# Altium PCB Sense2goL_V1.2.PcbDoc
Units mm, origin at the board's own origin, x right, y up, seen from the top; angles counter-clockwise.
Board outline 50.01 x 25.02 mm, 6 copper layers (TOP, L2, L3, L4, L5, BOTTOM), stack 0.95 mm thick; 114 components, 78 nets, 379 pads, 144 vias.
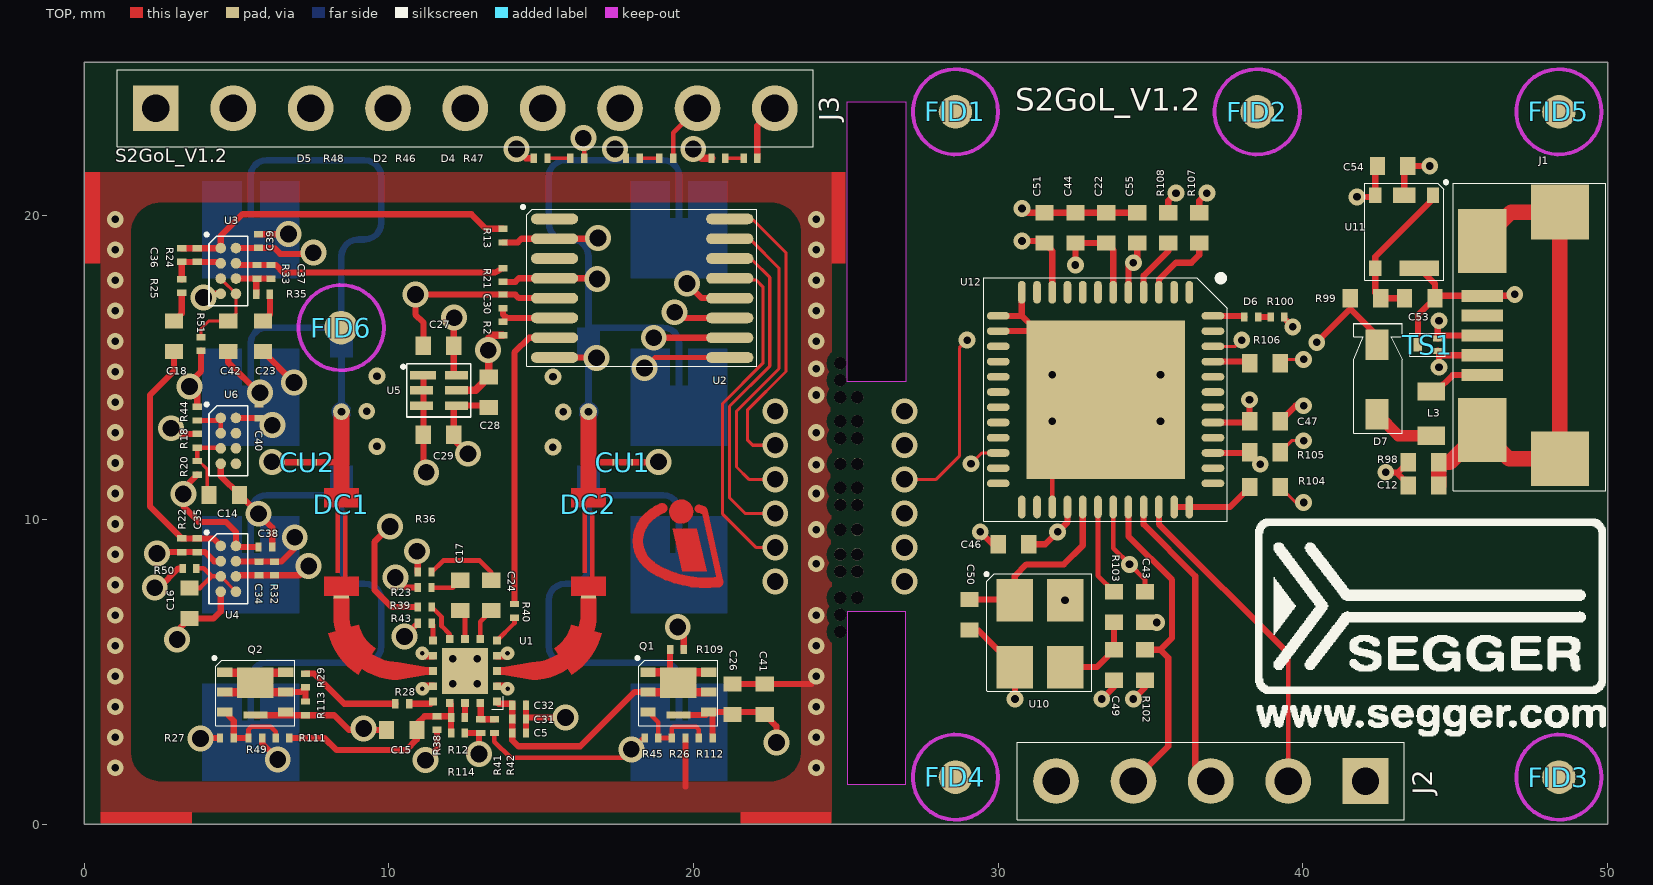
[diagram p0: TOP view]
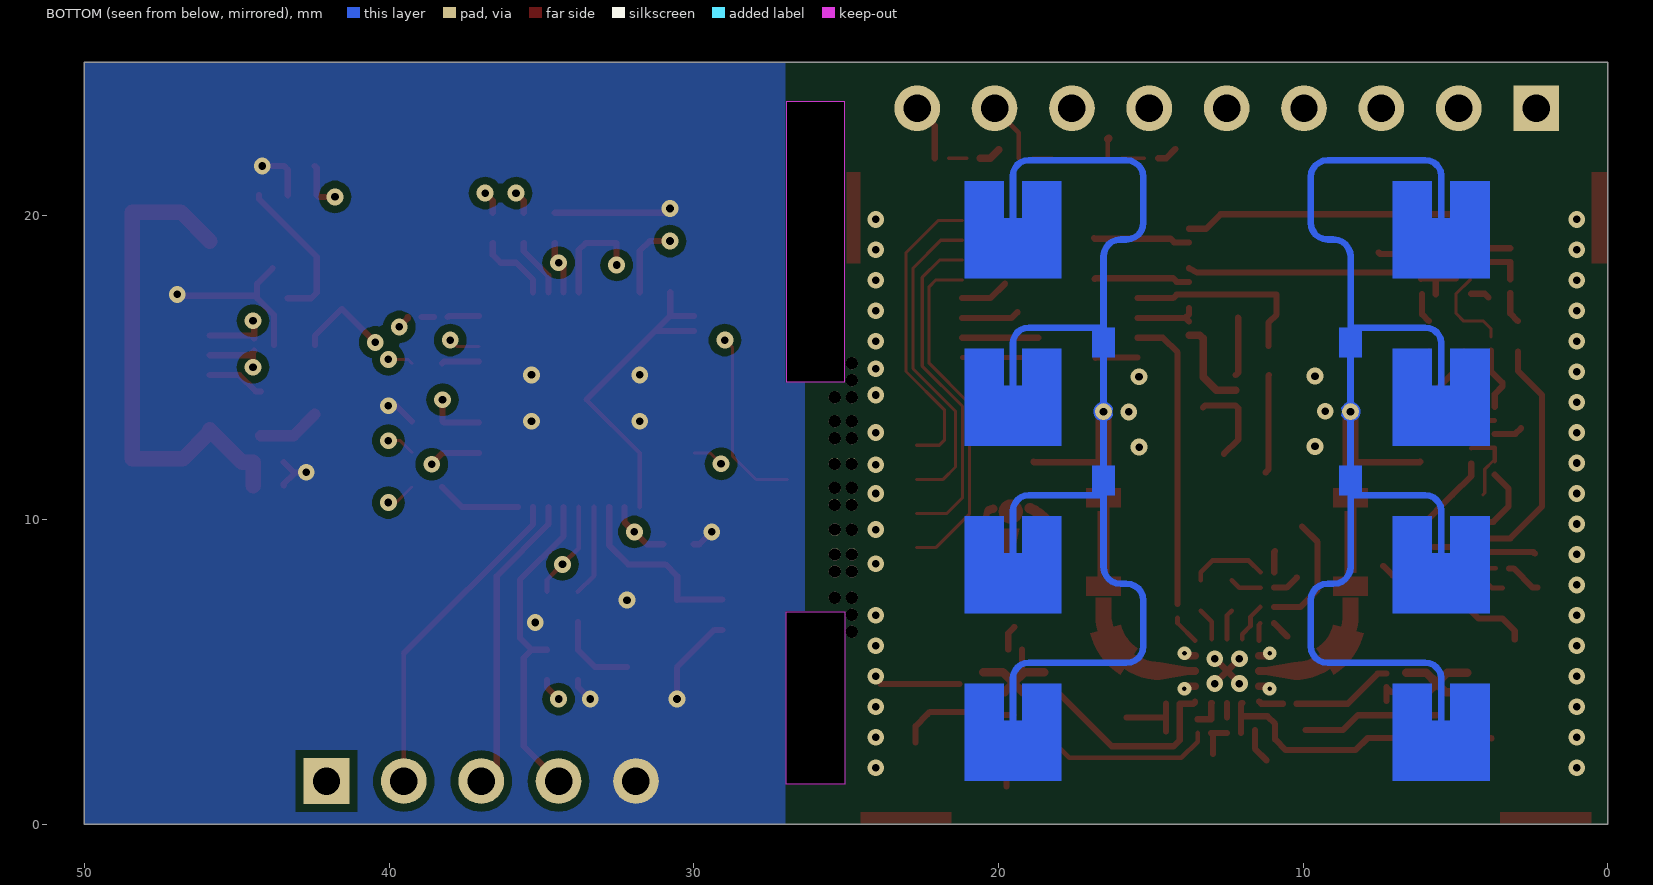
[diagram p1: BOTTOM view, seen from below]
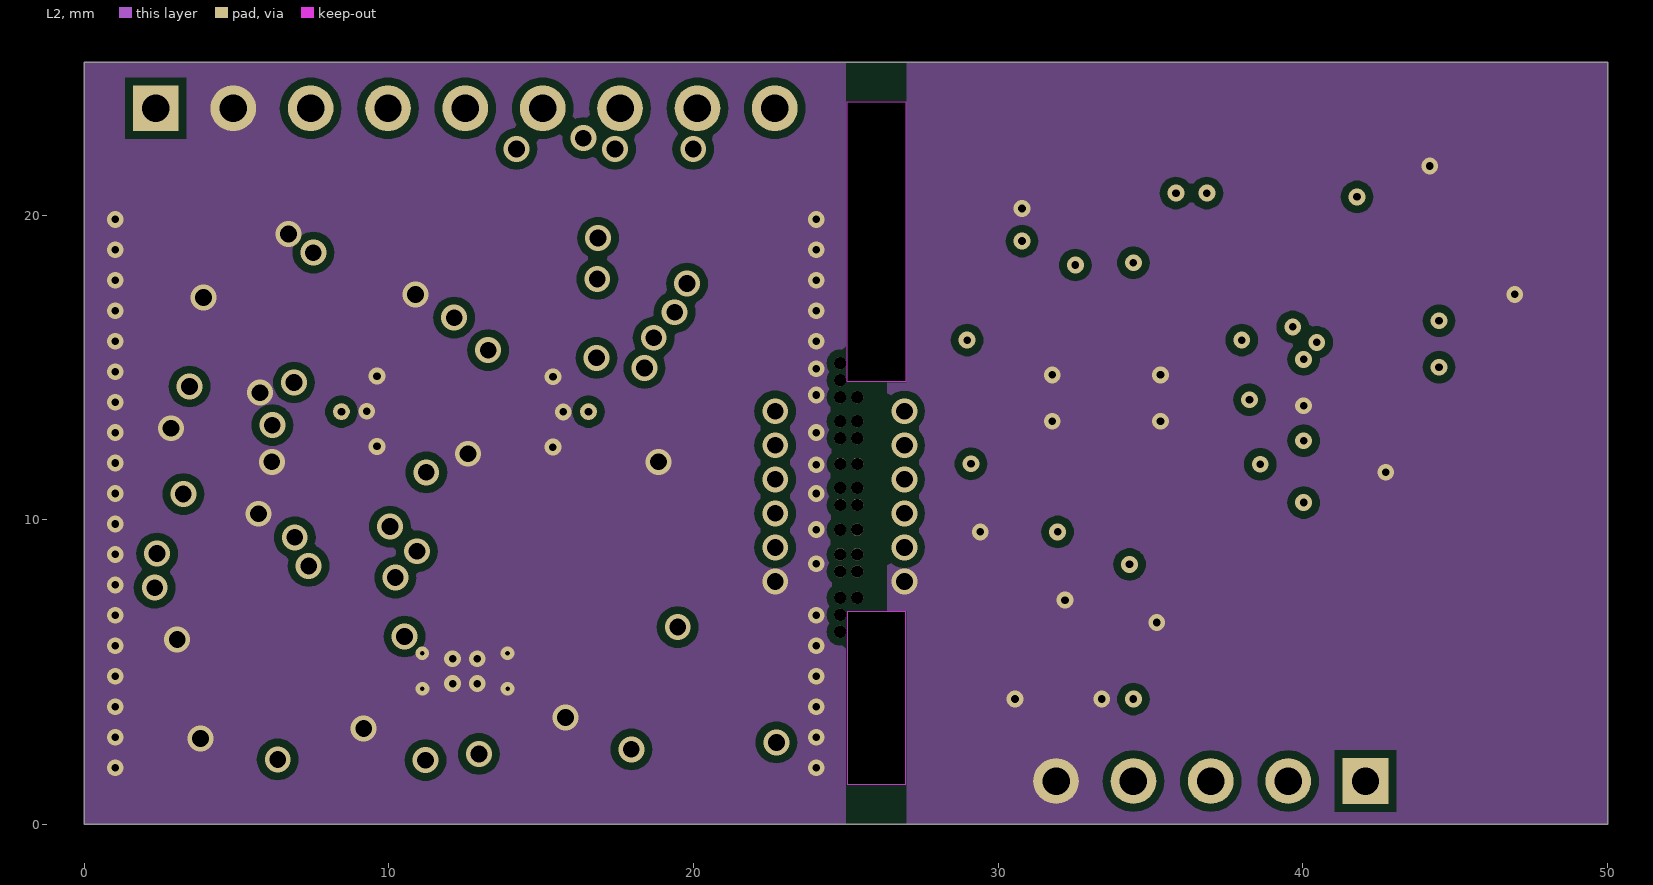
[diagram p2: L2]
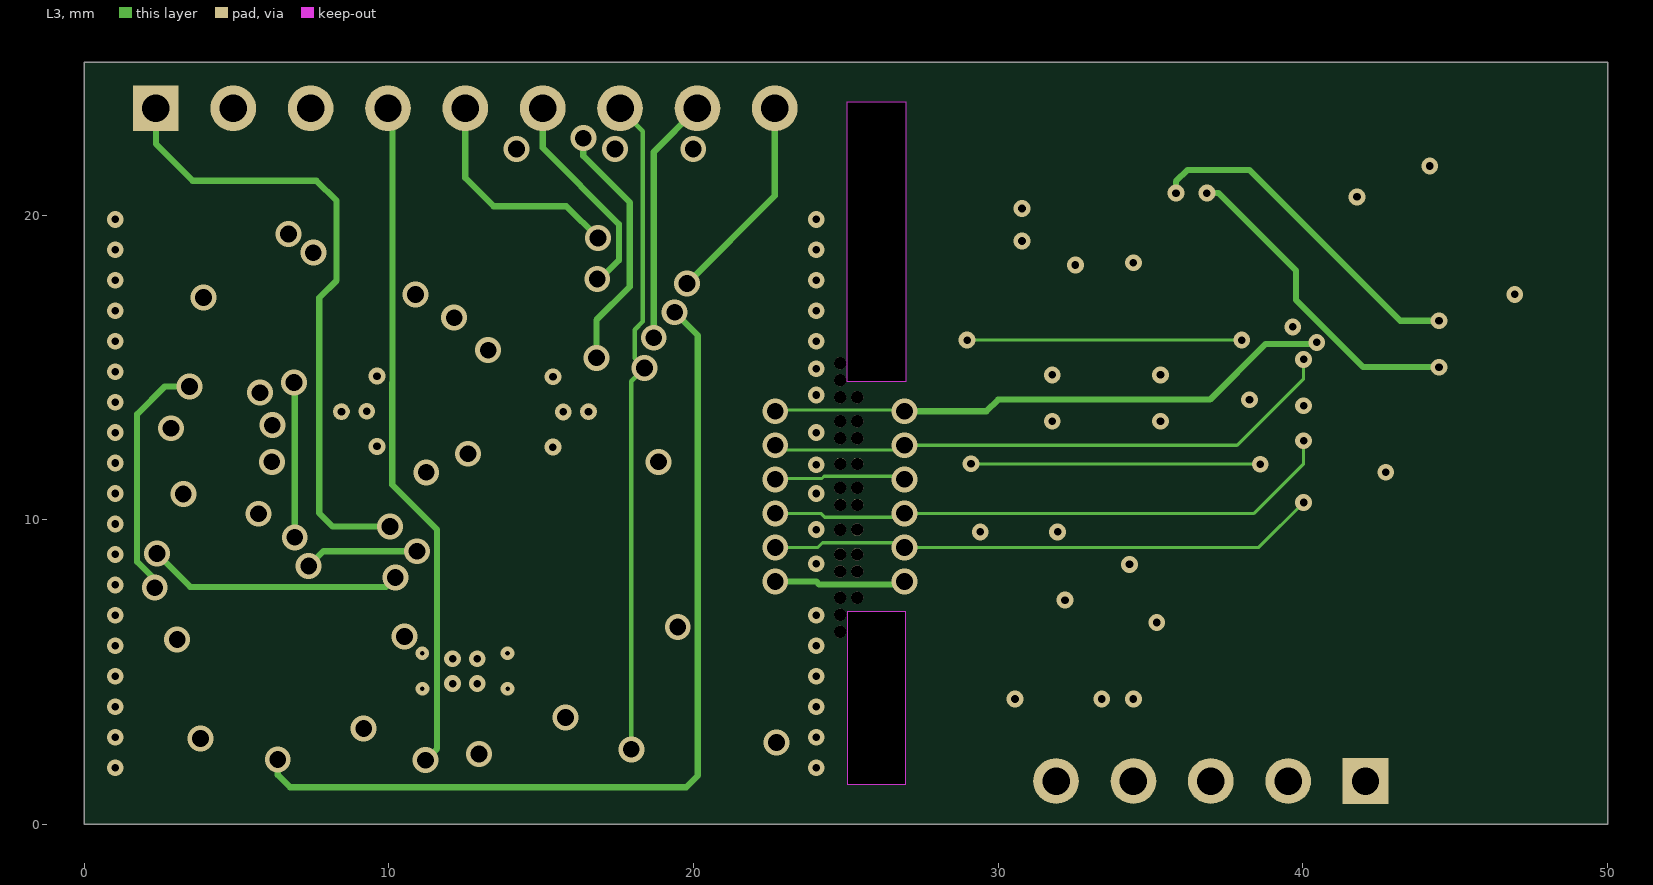
[diagram p3: L3]
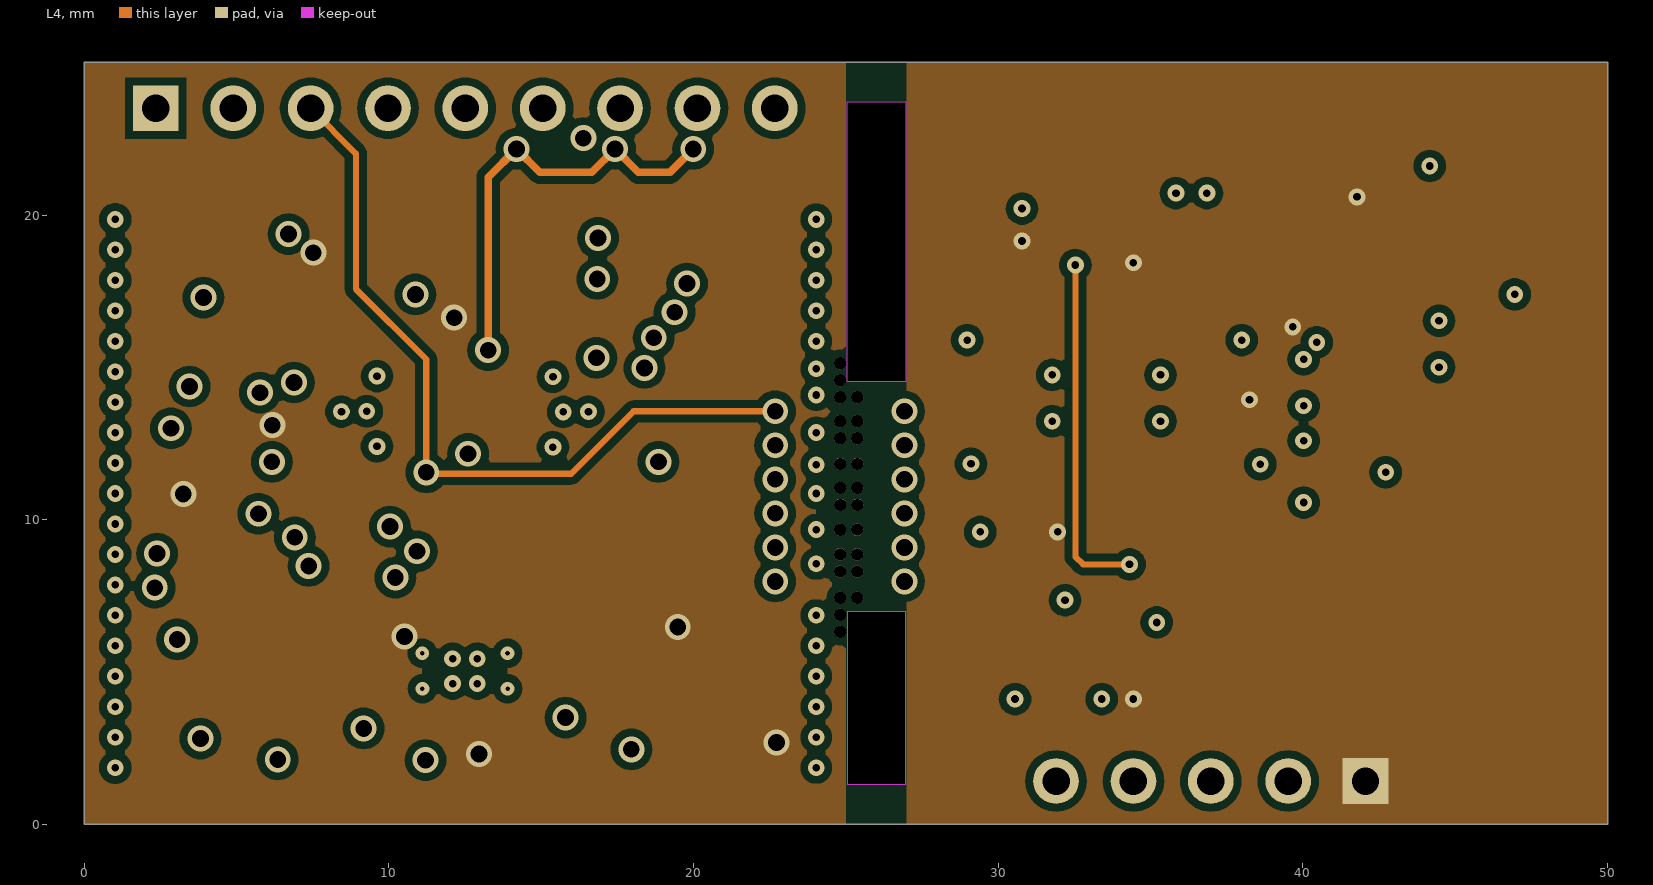
[diagram p4: L4]
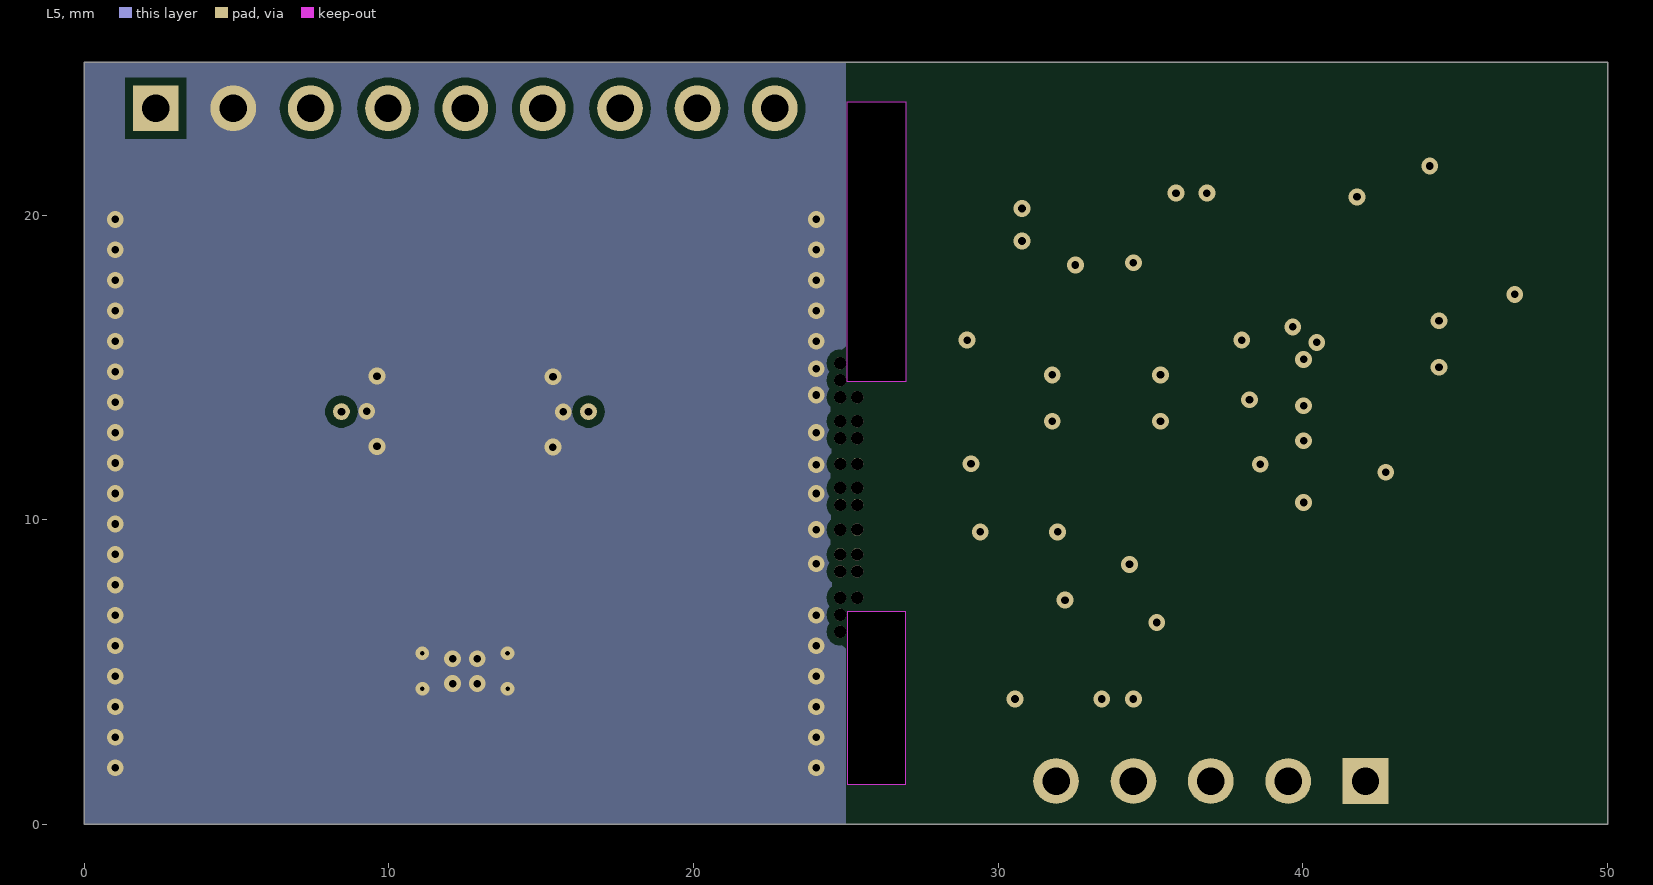
[diagram p5: L5]

## Layer stack, top to bottom
Top Solder: solder mask 0.0102, Solder Resist, Dk 3.5
TOP: signal copper 0.018
Dielectric 1: core 0.254, Roger 4350B, Dk 3.66
L2: signal copper 0.018
Dielectric 2: prepreg 0.1, FR-4, Dk 4.5
L3: signal copper 0.035
Dielectric3: core 0.1, FR-4, Dk 4.5
L4: signal copper 0.035
Dielectric4: prepreg 0.1, FR-4, Dk 4.5
L5: signal copper 0.018
Dielectric5: core 0.254, Roger4350B, Dk 3.66
BOTTOM: signal copper 0.018
Bottom Solder: solder mask 0.0102, Solder Resist, Dk 3.5

## Board outline
0,0 0,25.019 50.013,25.019 50.013,0
cut-out: 26.975,14.529 25.044,14.529 25.044,23.724 26.975,23.724
cut-out: 25.044,1.321 26.975,1.321 26.975,6.985 25.044,6.985

## Design rules (kind name [scope] priority, off if disabled: settings)
Clearance Poly_Cut [IsBoardCutoutRegion] p1: gap=0 ignorepadtopadclearanceinfootprint=FALSE
Clearance Poly [InPolygon] p2: gap=0.254 ignorepadtopadclearanceinfootprint=FALSE except(0: Arc-Hole Track-Hole SMDPad-Hole THPad-Hole Via-Hole Fill-Hole Poly-Hole Region-Hole Text-Hole)
Clearance [All] p3: gap=0.127 ignorepadtopadclearanceinfootprint=FALSE except(0: Arc-Hole Track-Hole SMDPad-Hole THPad-Hole Via-Hole Fill-Hole Poly-Hole Region-Hole Text-Hole)
ComponentClearance [All] p1: gap=0.102 collisioncheckmode=3 verticalgap=0.102 showdistances=FALSE
Height [All] p1 off: minheight=0 maxheight=25.4 prefheight=12.7
HoleToHoleClearance [All] p1: gap=0.15 allowstackedmicrovias=TRUE
MinimumSolderMaskSliver [All] p1 off: minsoldermaskwidth=0.102
NetAntennae [All] p1 off: netantennaetolerance=0
PlaneClearance [All] p1: clearance=0.254
PlaneConnect [All] p1: planeconnectstyle=Direct reliefexpansion=0.508 reliefentries=4 reliefconductorwidth=0.254 reliefairgap=0.254
PolygonConnect [All] p1: connectstyle=Direct reliefconductorwidth=0.254 reliefentries=4 polygonreliefangle="90 Angle" airgapwidth=0.254
RoutingVias [All] p1: holewidth=0.711 width=1.27 viastyle="Through Hole" minholewidth=0.203 minwidth=0.356 maxholewidth=0.711 maxwidth=1.27
SilkToSilkClearance [All] p1: silktosilkclearance=0.102
SilkToSolderMaskClearance [All] p1 off: minsilkscreentomaskgap=0.127 clearancetoexposedcopper=TRUE
SolderMaskExpansion [All] p1: expansion=0.102
Width [All] p1: maxlimit=2.54 minlimit=0.102 preferedwidth=0.203
21 further rules are at their usual default settings.

## Classes and differential pairs
component class "3 - Sense2GoL_V1.2_Debugger": C12 C22 C43 C44 C46 C47 C49 C50 C51 C53 C54 C55 D6 D7 J1 J2 L3 R98 R99 R100 R102 R103 R104 R105 R106 R107 R108 TS1 U10 U11 U12
component class "2 - Sense2GoL_V1.2_Main_Board": C5 C14 C15 C16 C17 C18 C23 C24 C26 C27 C28 C29 C30 C31 C32 C34 C35 C36 C37 C38 C39 C40 C41 C42 CU1 CU2 D2 D4 D5 DC1 DC2 FID1 FID2 FID3 FID4 FID5 FID6 J3 Q1 Q2 R2 R12 R13 R18 R20 R21 R22 R23 R24 R25 R26 R27 R28 R29 R32 R33 R35 R36 R38 R39 R40 R41 R42 R43 R44 R45 R46 R47 R48 R49 R50 R51 R109 R111 R112 R113 R114 U1 U2 U3 U4 U5 U6

## Components (designator, comment, footprint, x,y, rotation, side; value= is the part's Value field where it differs from the comment)
C5 "Cap" C_0201 14.275,2.997 r0 top value=10nF
C12 "Cap" 0402_DURAC 43.967,11.125 r180 top value=100nF
C14 "Cap" 0402_DURAC 4.597,10.816 r0 top value=10uF
C15 "Cap" 0402_DURAC 10.419,3.099 r0 top value=1uF
C16 "Cap" 0402_DURAC 3.454,7.26 r90 top value=1uF
C17 "1µF" 0402_DURAC 12.344,7.518 r90 top value=1uF
C18 "Cap" 0402_DURAC 2.946,16.023 r90 top value=1uF
C22 "Cap" 0402_DURAC 33.553,19.583 r90 top value=4.7uF
C23 "Cap" 0402_DURAC 5.867,16.023 r90 top value=1uF
C24 "Cap" 0402_DURAC 13.36,7.518 r90 top value=1uF
C26 "Cap" 0402_DURAC 21.279,4.111 r270 top value=10uF
C27 "CAP-10uF-10V-20%-0603" 0402_DURAC 11.631,15.714 r180 top value=10uF
C28 "CAP-10uF-10V-20%-0603" 0402_DURAC 13.282,14.19 r270 top value=10uF
C29 "CAP-1uF-25V-10%-0402" 0402_DURAC 11.631,12.793 r0 top value=10uF
C30 "Cap" C_0201 13.741,17.17 r90 top value=100nF
C31 "Cap" C_0201 14.275,3.454 r0 top value=100nF
C32 "Cap" C_0201 14.275,3.912 r0 top value=1nF
C34 "Cap" C_0201 5.74,8.403 r90 top value=150pF
C35 "Cap" C_0201 3.708,9.165 r90 top value=150pF
C36 "Cap" C_0201 3.2,18.69 r90 top value=220pF
C37 "Cap" C_0201 6.126,18.141 r90 top value=220pF
C38 "Cap" C_0201 5.944,9.107 r0 top value=100nF
C39 "Cap" C_0201 5.715,19.152 r90 top value=100nF
C40 "Cap" C_0201 5.74,13.564 r90 top value=100nF
C41 "Cap" 0402_DURAC 22.335,4.111 r270 top value=10uF
C42 "Cap" 0402_DURAC 4.724,16.023 r90 top value=1uF
C43 "Cap" 0402_DURAC 34.823,7.137 r90 top value=100nF
C44 "Cap" 0402_DURAC 32.537,19.583 r270 top value=100nF
C46 "Cap" 0402_DURAC 30.505,9.195 r0 top value=100nF
C47 "Cap" 0402_DURAC 38.76,13.233 r180 top value=100nF
C49 "Cap" 0402_DURAC 33.807,5.232 r270 top value=15pF
C50 "Cap" 0402_DURAC 29.058,6.883 r270 top value=15pF
C51 "Cap" 0402_DURAC 31.521,19.583 r270 top value=10uF
C53 "Cap" 0402_DURAC 43.84,17.272 r0 top value=100nF
C54 "Cap" 0402_DURAC 42.951,21.615 r180 top value=100nF
C55 "Cap" 0402_DURAC 34.569,19.583 r270 top value=100nF
CU1 "PCB 8/78mil" 24GHZ_TRACE_8_78 17.45,11.887 r0 top net-tie
CU2 "PCB 8/78mil" 24GHZ_TRACE_8_78 7.544,11.887 r180 top net-tie
D2 "LED" LED_0201 18.009,21.869 r180 top
D4 "LED" LED_0201 20.814,21.869 r180 top
D5 "LED" LED_0201 14.982,21.869 r180 top
D6 "LED" LED_0201 38.311,16.654 r0 top
D7 "BAS3010A" SOD323 42.443,14.605 r270 top
DC1 "HF-Bandbpass" DC_BLOCK_24GHZ 8.441,10.507 r90 top
DC2 "HF-Bandbpass" DC_BLOCK_24GHZ 16.552,10.507 r90 top
FID1 "Fiducial" FID_1.1mm 28.6,23.393 r0 top
FID2 "Fiducial" FID_1.1mm 38.506,23.393 r0 top
FID3 "Fiducial" FID_1.1mm 48.412,1.549 r90 top
FID4 "Fiducial" FID_1.1mm 28.6,1.549 r90 top
FID5 "Fiducial" FID_1.1mm 48.412,23.393 r90 top
FID6 "Fiducial" FID_1.1mm 8.433,16.307 r90 top
J1 "ZX62RD-AB-5P8" MICRO_AB_ZX62 47.269,16.027 r0 top
J2 "Header 5" CON_5PIN_254P 36.982,1.422 r270 top
J3 "Header 9" CONN_9_90DEG_TH 12.509,23.509 r90 top
L3 "BLM18P 60 Ohm" L_0603 44.221,13.487 r90 top
Q1 "IRLHS2242PbF" IRLSH2242 19.479,4.316 r0 top
Q2 "DNP" IRLSH2242 5.59,4.316 r0 top value=IRFHS8242PbF
R2 "Res1" R_0201 13.741,16.281 r90 top value=10R
R12 "Res1" R_0201 12.268,3.505 r0 top value=0R
R13 "Res1" R_0201 13.741,19.329 r270 top value=10R
R18 "Res1" R_0201 3.708,12.594 r270 top value=10K
R20 "Res1" R_0201 3.708,11.705 r270 top value=10K
R21 "Res1" R_0201 13.741,18.034 r270 top value=10R
R22 "Res1" R_0201 3.2,9.165 r90 top value=100K
R23 "Res1" R_0201 11.172,7.772 r180 top value=10K
R24 "Res1" R_0201 3.708,18.69 r90 top value=390K
R25 "Res1" R_0201 3.2,17.674 r90 top value=10K
R26 "Res1" R_0201 19.512,2.836 r180 top value=10K
R27 "DNP" R_0201 4.68,2.836 r0 top value=10K
R28 "DNP" R_0201 10.439,3.962 r0 top value=15K
R29 "DNP" R_0201 7.264,4.724 r90 top value=1K
R32 "Res1" R_0201 6.248,8.403 r90 top value=100K
R33 "Res1" R_0201 5.668,18.141 r90 top value=390K
R35 "Res1" R_0201 5.867,17.405 r180 top value=10K
R36 "Res1" R_0201 11.172,8.28 r180 top value=10K
R38 "DNP" R_0201 11.582,3.327 r90 top value=10R
R39 "DNP" R_0201 11.176,7.137 r0 top value=10R
R40 "DNP" R_0201 14.122,7.01 r270 top value=10R
R41 "Res1" R_0201 13.014,3.226 r90 top value=0R
R42 "DNP" R_0201 13.462,3.226 r90 top value=0R
R43 "DNP" R_0201 11.176,6.604 r180 top value=0R
R44 "Res1" R_0201 3.708,13.483 r90 top value=0R
R45 "Res1" R_0201 18.623,2.836 r180 top value=10R
R46 "Res1" R_0201 19.104,21.869 r0 top value=1K
R47 "Res1" R_0201 21.869,21.869 r0 top value=1K
R48 "Res1" R_0201 16.183,21.869 r0 top value=1K
R49 "DNP" R_0201 5.613,2.836 r180 top value=10R
R50 "Res1" R_0201 3.454,8.403 r0 top value=10K
R51 "Res1" R_0201 3.835,15.773 r90 top value=10K
R98 "Res1" 0402_R 43.967,11.887 r0 top value=1M
R99 "Res1" 0402_R 42.062,17.272 r180 top value=0R
R100 "Res1" R_0201 39.17,16.662 r180 top value=1K
R102 "Res1" 0402_R 34.823,5.232 r90 top value=10K
R103 "Res1" 0402_R 33.807,7.137 r90 top value=510R
R104 "Res1" 0402_R 38.76,11.074 r0 top value=100R
R105 "Res1" 0402_R 38.76,12.217 r0 top value=100R
R106 "Res1" 0402_R 38.76,15.138 r0 top value=100R
R107 "Res1" 0402_R 36.601,19.583 r90 top value=33R
R108 "Res1" 0402_R 35.585,19.583 r90 top value=33R
R109 "DNP" R_0201 19.456,5.74 r180 top value=0R
R111 "DNP" R_0201 6.504,2.836 r0 top value=10R
R112 "DNP" R_0201 20.401,2.836 r180 top value=10K
R113 "DNP" R_0201 7.264,3.81 r90 top value=0R
R114 "DNP" R_0201 12.268,2.997 r180 top value=10k
TS1 "ESD8V0L2B-03L" ESD8VOL2B 44.094,15.748 r180 top
U1 "BGT24LTR11N16" TSNP-16-9 13.547,4.035 r180 top
U2 "XMC1302" INF-PG-TSSOP-16-8_N 18.313,17.602 r0 top
U3 "OPA2376" OPA2376_DSBGA 4.729,18.17 r0 top
U4 "OPA2376" OPA2376_DSBGA 4.729,8.391 r0 top
U5 "TLV7113333DDSET" TLV7113333 11.642,14.249 r0 top
U6 "OPA2376" OPA2376_DSBGA 4.729,12.594 r0 top
U10 "NX3225SA_12MHz" NX3225SA 31.372,6.258 r0 top
U11 "IFX54211MB_V33" INF-PG-SCT595V 43.332,19.456 r180 top
U12 "XMC4200Q48K256ABXUMA1" INF-PG-VQFN-48-_-5200X5200TP_N 33.528,13.945 r270 top
